# Altium PCB HIVE_SIGHT_PCB ASCII REV Project_PCB_Rev.Project_SCH_Rev.PcbDoc (part 1 of 3) (continued)
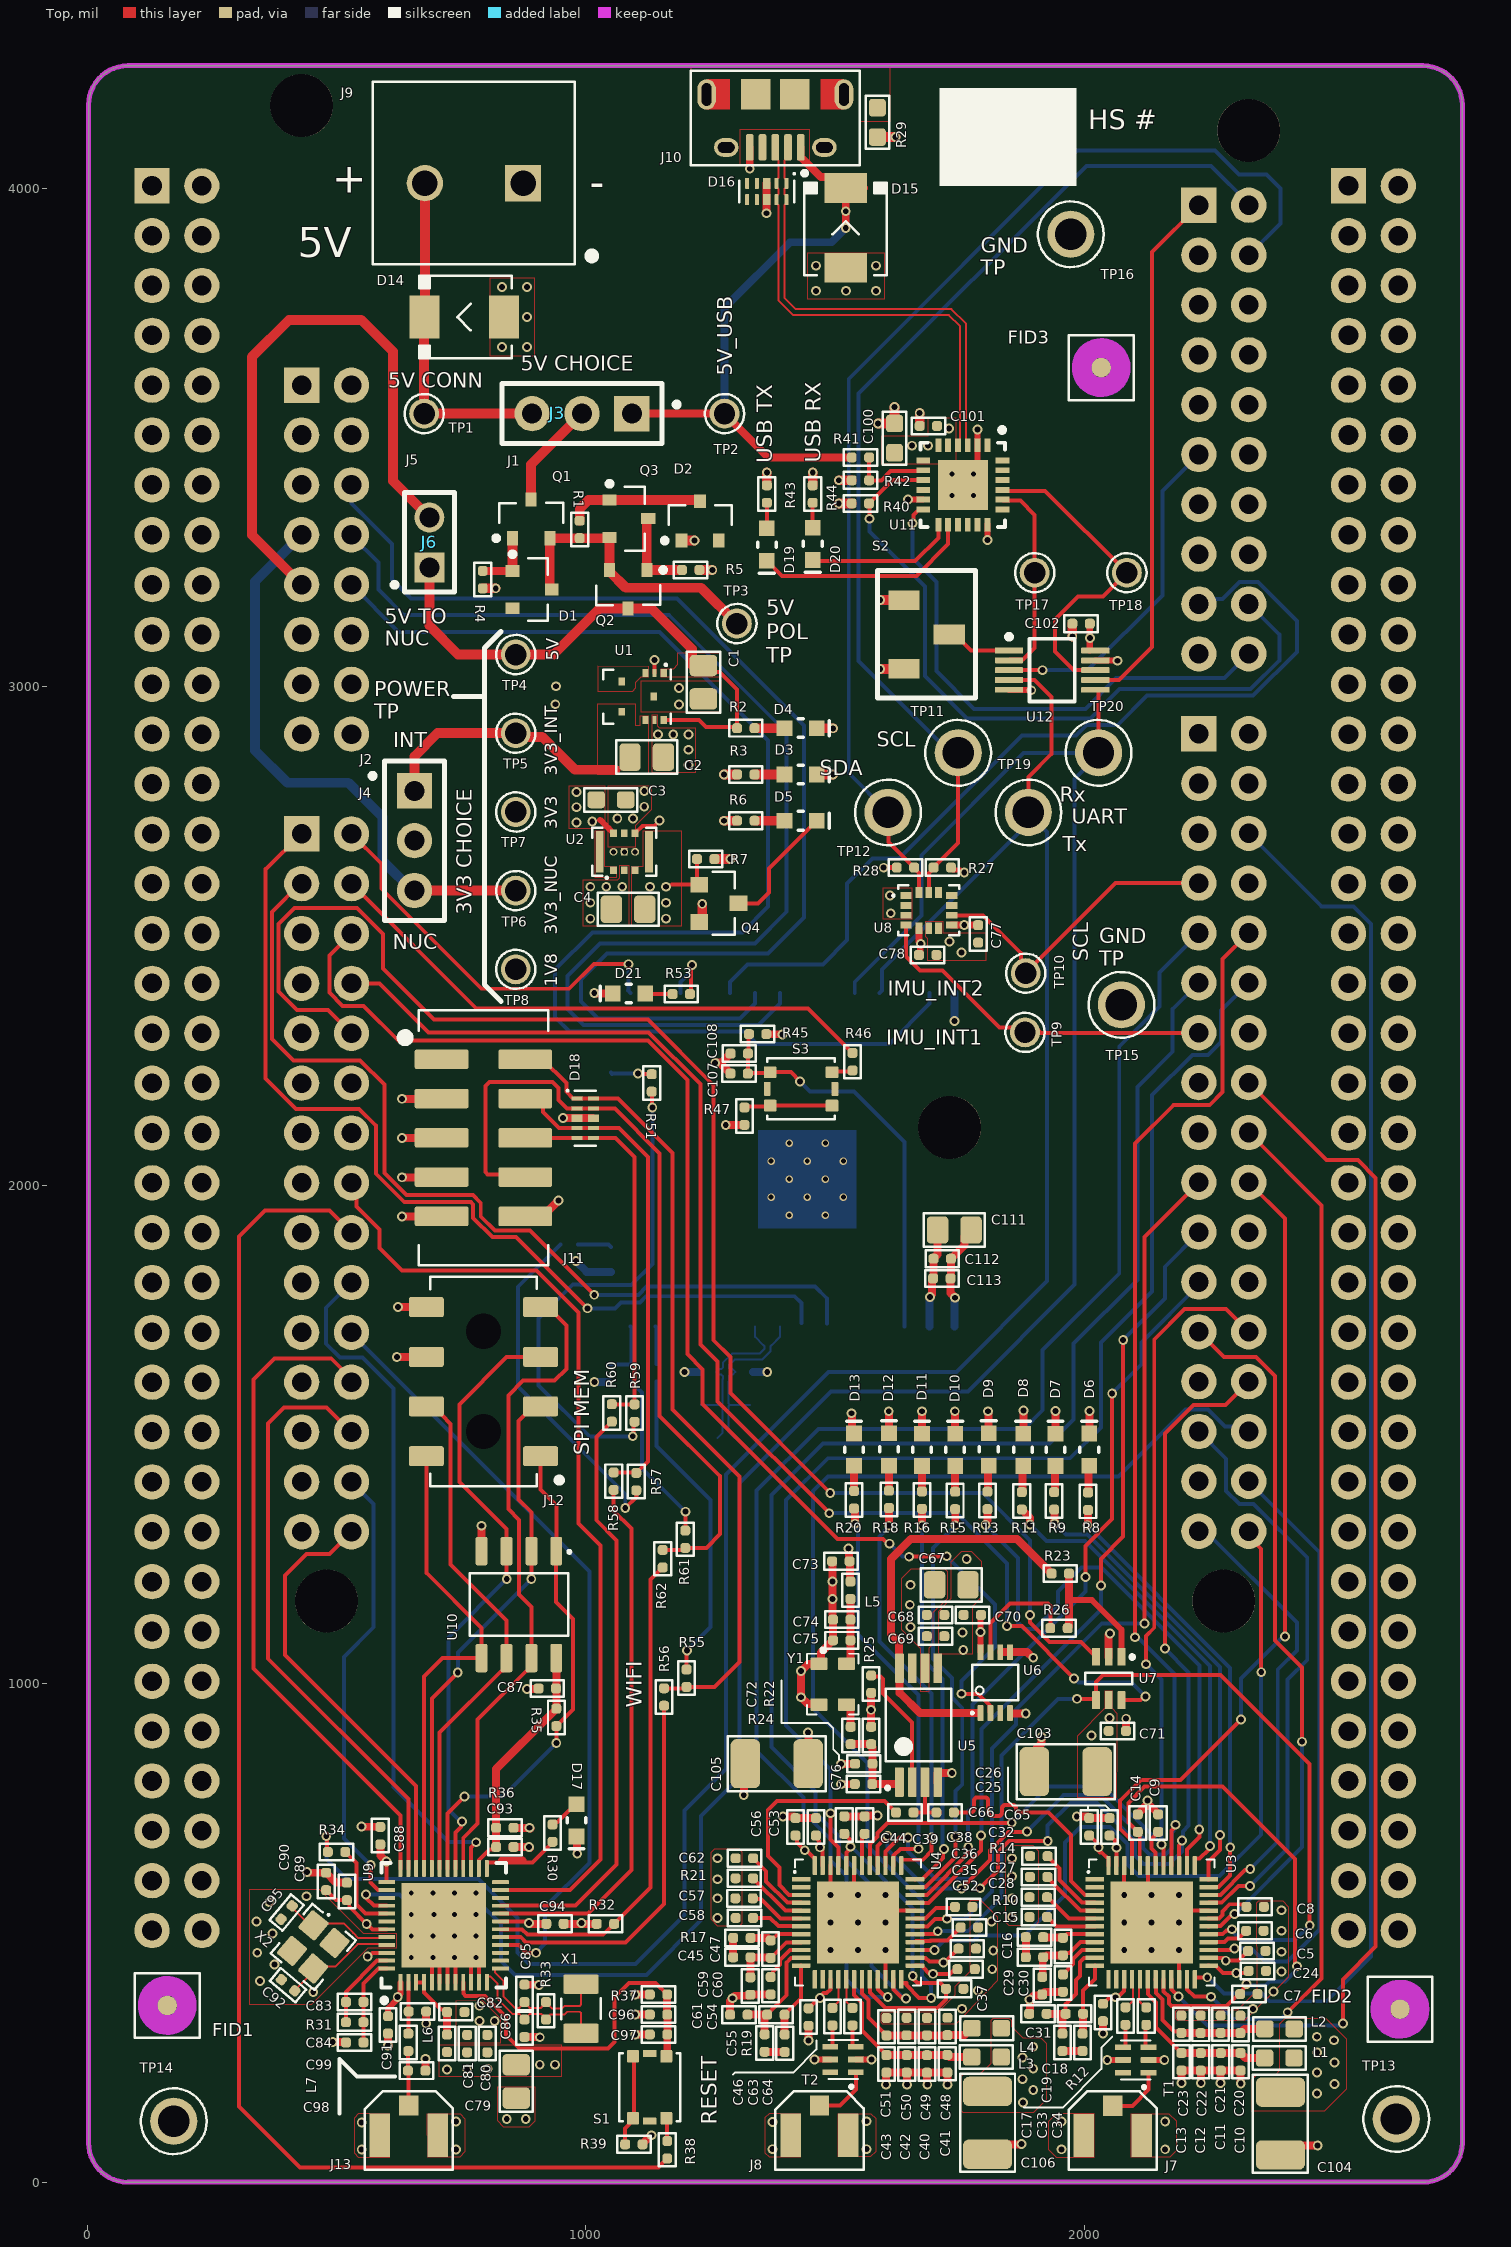
[diagram p0: Top view]
## Components (designator, comment, footprint, x,y, rotation, side; value= is the part's Value field where it differs from the comment) (continued)
C91 "CL05A104KA5NNNC" CAP_CER_0402 603.1,316.08 r90 top
C92 "CC0402DRNPO9BN8R0" CAP_CER_0402 402.56,395.67 r320 top
C93 "CL05A105KL5NRNC" CAP_CER_0402 837.48,672.99 r180 top
C94 "CL05A104KA5NNNC" CAP_CER_0402 937.98,518.83 r180 top
C95 "CC0402DRNPO9BN8R0" CAP_CER_0402 399.61,541.34 r50 top
C96 "CL05A105MP5NNNC" CAP_CER_0402 1145.64,336.71 r0 top
C97 "CL05A104KA5NNNC" CAP_CER_0402 1145.64,296.98 r0 top
C98 "CC0402CRNPO9BN1R8" CAP_CER_0402 660.5,224.26 r180 top
C99 "CC0402BRNPO9BN2R4" CAP_CER_0402 662.04,342.84 r180 top
C100 "CL10A475MA8NQNC" CAP_CER_0603 1619.15,3499.07 r270 top
C101 "CGA2B3X7R1E104K050BB" CAP_CER_0402 1687.01,3523.62 r0 top
C102 "CGA2B3X7R1E104K050BB" CAP_CER_0402 1993.28,3126.94 r180 top
C103 "C3225X7R1E226M250AB" CAP_CER_1210 1962.62,824.19 r0 top
C104 "C3225X7R1E226M250AB" CAP_CER_1210 2393.25,118.1 r90 top
C105 "C3225X7R1E226M250AB" CAP_CER_1210 1382.76,839.99 r0 top
C106 "C3225X7R1E226M250AB" CAP_CER_1210 1805.62,119.57 r90 top
C107 "CL05A105MP5NNNC" CAP_CER_0402 1307.31,2224.36 r0 top
C108 "CL05A104KA5NNNC" CAP_CER_0402 1307.65,2264.52 r0 top
C109 "CC0402JRNPO9BN130" CAP_CER_0402 1244.21,1625.85 r0 bottom
C110 "CC0402JRNPO9BN130" CAP_CER_0402 1317.38,1625.85 r180 bottom
C111 "0805YD106KAT2A" CAP_CER_0805 1739.05,1910.58 r180 top
C112 "CL05A105KL5NRNC" CAP_CER_0402 1714.78,1853.03 r180 top
C113 "CL05A104KA5NNNC" CAP_CER_0402 1714,1813.49 r180 top
D1 "BZX84-B3V6,215" DIO_ZENER_BZX84-B3V6,215 892.1,3195.42 r0 top
D2 "BZX84-B3V6,215" DIO_ZENER_BZX84-B3V6,215 1229,3333 r90 top
D3 "SML-D12P8WT86" LED_SML-D12P8WT86 1430.87,2824.48 r180 top
D4 "SML-D12P8WT86" LED_SML-D12P8WT86 1430.87,2917.32 r180 top
D5 "SML-D12P8WT86" LED_SML-D12P8WT86 1430.87,2731.64 r180 top
D6 "SML-D12P8WT86" LED_SML-D12P8WT86 2009.77,1470.08 r270 top
D7 "SML-D12P8WT86" LED_SML-D12P8WT86 1941.85,1469.69 r270 top
D8 "SML-D12P8WT86" LED_SML-D12P8WT86 1877.02,1469.69 r270 top
D9 "SML-D12P8WT86" LED_SML-D12P8WT86 1808.04,1470.44 r270 top
D10 "SML-D12P8WT86" LED_SML-D12P8WT86 1740.71,1469.69 r270 top
D11 "SML-D12P8WT86" LED_SML-D12P8WT86 1674.03,1469.69 r270 top
D12 "SML-D12P8WT86" LED_SML-D12P8WT86 1607.79,1470.44 r270 top
D13 "SML-D12P8WT86" LED_SML-D12P8WT86 1537.93,1470.08 r270 top
D14 "SMBJ5.0D-M3/H" TVS_SMBJ5.0D-M3/H 756,3742 r180 top
D15 "SMBJ5.0D-M3/H" TVS_SMBJ5.0D-M3/H 1521.14,3920.75 r90 top
D16 "DT1140-04LP-7" TVS_DATA_DT1140-04LP-7 1362.67,3993.88 r270 top
D17 "SML-D12P8WT86" LED_SML-D12P8WT86 981.3,726.38 r90 top
D18 "DT1140-04LP-7" TVS_DATA_DT1140-04LP-7 998.72,2134.84 r0 top
D19 "SML-D12P8WT86" LED_SML-D12P8WT86 1362.91,3285.63 r90 top
D20 "SML-D12P8WT86" LED_SML-D12P8WT86 1455,3286.99 r90 top
D21 "SML-D12P8WT86" LED_SML-D12P8WT86 1086.31,2385.18 r0 top
FID1 "FID 1MM" FID_CIRCLE_1MM 160.15,355.1 r0 top
FID2 "FID 1MM" FID_CIRCLE_1MM 2633.08,347.52 r0 top
FID3 "FID 1MM" FID_CIRCLE_1MM 2033.71,3640.54 r0 top
J1 "TSW-103-07-G-S" CON_HDR_TSW-103-07-G-S 992.14,3548.3 r180 top
J2 "TSW-103-07-G-S" CON_HDR_TSW-103-07-G-S 656,2691.64 r270 top
J3 "SNT-100-BK-T-H" CON_JMP_SNT-100-BK-T-H 942.78,3548.76 r180 top
J4 "SNT-100-BK-T-H" CON_JMP_SNT-100-BK-T-H 656,2652.53 r270 top
J5 "CON_HDR_1x2" CON_HDR_1X2 686,3290 r180 top
J6 "SNT-100-BK-T-H" CON_JMP_SNT-100-BK-T-H 686,3290 r270 top
J7 "128-0711-201" CON_UMC_128-0711-201 2056.9,94.24 r180 top
J8 "128-0711-201" CON_UMC_128-0711-201 1468.51,94.8 r180 top
J9 "1935161" "CON_ 1935161" 873.83,4010.59 r180 top
J10 "10118194-0001LF" CON_USB_10118194-0001LF 1379.87,4188.57 r180 top
J11 "0878321014" CON_0878321014 794.42,2095.53 r270 top
J12 "M20-7810445" CON_HDR_M20-7810445R 794.42,1606.87 r90 top
J13 "128-0711-201" CON_UMC_128-0711-201 644.68,94.8 r180 top
J14 "PREC008DAAN-RC" CON_HDR_NUCLEO_F429ZI_C008DAAN-RC 479.63,3255.33 r180 bottom
J15 "PREC010DAAN-RC" CON_HDR_NUCLEO_F429ZI_C010DAAN-RC 2279.63,3516.33 r180 bottom
J16 "PREC017DAAN-RC" CON_HDR_NUCLEO_F429ZI_C017DAAN-RC 2279.63,2106.33 r180 bottom
J17 "PREC015DAAN-RC" CON_HDR_NUCLEO_F429ZI_C015DAAN-RC 479.63,2005.33 r180 bottom
L1 "BLM15AG601SN1D" FER_0603 2390.97,249.77 r180 top
L2 "BLM15AG601SN1D" FER_0603 2391.34,308.11 r180 top
L3 "BLM15AG601SN1D" FER_0603 1803.48,251.66 r180 top
L4 "BLM15AG601SN1D" FER_0603 1803.83,309.3 r180 top
L5 "BLM15BB220SN1D" FER_0402 1530.66,1188 r270 top
L6 "LQG15HS2N0S02D" FER_0402 721.37,279.03 r90 top
L7 "LQG15WZ2N8S02D" FER_0402 643.77,281.01 r90 top
Q1 "SI2369DS-T1-GE3" TRX_PMOS_SI2369DS-T1-GE3 890.13,3337.16 r90 top
Q2 "SI2369DS-T1-GE3" TRX_PMOS_SI2369DS-T1-GE3 1084.79,3195.91 r270 top
Q3 "SI2369DS-T1-GE3" TRX_PMOS_SI2369DS-T1-GE3 1086.13,3337.44 r0 top
Q4 "BSS138LT1G" TRX_NMOS_BSS138LT1G 1266.7,2565.99 r0 top
R1 "RC0402FR-071KL" RES_0402 987.46,3315.92 r90 top
R2 "ERJ-2RKF4020X" RES_0402 1320.73,2917.32 r180 top
R3 "RC0402FR-07150RL" RES_0402 1320.73,2824.48 r0 top
R4 "RC0402FR-071KL" RES_0402 793.07,3215.32 r270 top
R5 "RC0402FR-071KL" RES_0402 1210.07,3234.65 r0 top
R6 "RC0402FR-07150RL" RES_0402 1320.73,2731.64 r0 top
R7 "RC0402FR-0710KL" RES_0402 1240.33,2654.64 r0 top
R8 "RC0402FR-07150RL" RES_0402 2007.19,1366.36 r270 top
R9 "RC0402FR-07150RL" RES_0402 1939.27,1367.35 r270 top
R10 "RC0402FR-0716KL" RES_0402 1899.86,491.99 r180 top
R11 "RC0402FR-07150RL" RES_0402 1874.44,1367.35 r270 top
R12 "RC0402FR-07270RL" FER_0402 1996.24,281 r90 top
R13 "RC0402FR-07150RL" RES_0402 1805.46,1368.1 r270 top
R14 "RC0402FR-0711KL" RES_0402 1908.18,612.91 r0 top
R15 "RC0402FR-07150RL" RES_0402 1740.71,1368.1 r270 top
R16 "RC0402FR-07150RL" RES_0402 1674.03,1368.8 r270 top
R17 "RC0402FR-0716KL" RES_0402 1312.94,490.6 r180 top
R18 "RC0402FR-07150RL" RES_0402 1607.79,1370.23 r270 top
R19 "RC0402FR-07270RL" FER_0402 1398.73,279.13 r90 top
R20 "RC0402FR-07150RL" RES_0402 1537.93,1369.34 r270 top
R21 "RC0402FR-0711KL" RES_0402 1317.67,610.18 r0 top
R22 "RC0402FR-0720KL" RES_0402 1572.19,896.58 r90 top
R23 "RC0402FR-070RL" RES_0402 1951.56,1221.46 r180 top
R24 "RC0402FR-0720KL" RES_0402 1557.25,839.93 r0 top
R25 "RC0402FR-0710KL" RES_0402 1572.19,999.57 r270 top
R26 "RC0402FR-070RL" RES_0402 1948.99,1111.82 r180 top
R27 "RC0402FR-071KL" RES_0402 1714.92,2637.65 r180 top
R28 "RC0402FR-071KL" RES_0402 1641.02,2637.65 r0 top
R29 "RC0603JR-070RL" RES_0603 1584.63,4132.48 r90 top
R30 "RC0402FR-07150RL" RES_0402 933.07,700.79 r270 top
R31 "RC0402FR-0720KL" RES_0402 536.11,321.44 r180 top
R32 "RC0402FR-0710KL" RES_0402 1039.14,518.83 r0 top
R33 "RC0402FR-076R2L" RES_0402 920.08,344.34 r90 top
R34 "RC0402FR-07499RL" RES_0402 499.69,663.07 r180 top
R35 "RC0402FR-0710KL" RES_0402 940.67,932.85 r90 top
R36 "RC0402FR-076R2L" RES_0402 837.48,711.51 r180 top
R37 "RC0402FR-0710KL" RES_0402 1145.64,377.06 r180 top
R38 "RC0402FR-071KL" RES_0402 1163.14,65.63 r270 top
R39 "RC0402FR-07150RL" RES_0402 1096.21,76.53 r180 top
R40 "RC0402FR-071KL" RES_0402 1550.6,3368.2 r0 top
R41 "RC0402FR-0710KL" RES_0402 1550.69,3460.39 r180 top
R42 "RC0402FR-0720KL" RES_0402 1550.69,3414.56 r0 top
R43 "RC0402FR-07150RL" RES_0402 1362.91,3387.01 r270 top
R44 "RC0402FR-07150RL" RES_0402 1455,3387.01 r270 top
R45 "RC0402FR-0710KL" RES_0402 1344.38,2303.64 r0 top
R46 "RC0402FR-071KL" RES_0402 1535,2248.26 r90 top
R47 "RC0402FR-07150RL" RES_0402 1318.01,2139.05 r90 top
R48 "PNM0402E1000BST1" RES_0402 1141.22,1624.57 r270 bottom
R49 "PNM0402E1000BST1" RES_0402 1090.99,1623.47 r270 bottom
R50 "PNM0402E1000BST1" RES_0402 966.33,1881.5 r180 bottom
R51 "PNM0402E1000BST1" RES_0402 1132.01,2205.64 r270 top
R52 "RC0402FR-0710KL" RES_0402 1045.72,1623.47 r90 bottom
R53 "RC0402FR-07150RL" RES_0402 1191.25,2383.94 r0 top
R54 "RC0402FR-076R2L" RES_0402 1280.33,1493.55 r180 bottom
R55 "RC0402FR-070RL" RES_0402 1201.85,1011.65 r270 top
R56 "RC0402FR-070RL" RES_0402 1156.74,973.8 r90 top
R57 "RC0402FR-070RL" RES_0402 1101,1405.84 r90 top
R58 "RC0402FR-070RL" RES_0402 1055.66,1406.75 r90 top
R59 "RC0402FR-070RL" RES_0402 1097.63,1543.43 r90 top
R60 "RC0402FR-070RL" RES_0402 1051.89,1543.66 r90 top
R61 "RC0402FR-070RL" RES_0402 1199.41,1290.34 r270 top
R62 "RC0402FR-070RL" RES_0402 1154.03,1251.26 r90 top
S1 "435171014816" SWI_TACT_435171014816 1127.95,190.94 r90 top
S2 "CJS-1200TA" SWI_SPDT_CJS-1200TA 1683.34,3105.33 r270 top
S3 "435171014816" SWI_TACT_435171014816 1431.61,2193.69 r180 top
T1 "HHM1595A1" XFR_HHM1595A1 2103.09,245.71 r90 top
T2 "HHM1595A1" XFR_HHM1595A1 1515.95,246.55 r90 top
TP1 "100MIL" TPO_TH_ROUND_100MIL 675.5,3548.3 r0 top
TP2 "100MIL" TPO_TH_ROUND_100MIL 1278.08,3548.3 r0 top
TP3 "100MIL" TPO_TH_ROUND_100MIL 1302.91,3127.17 r0 top
TP4 "100MIL" TPO_TH_ROUND_100MIL 859.25,3064.96 r0 top
TP5 "100MIL" TPO_TH_ROUND_100MIL 859.25,2907.12 r0 top
TP6 "100MIL" TPO_TH_ROUND_100MIL 859.25,2591.43 r0 top
TP7 "100MIL" TPO_TH_ROUND_100MIL 859.25,2749.27 r90 top
TP8 "100MIL" TPO_TH_ROUND_100MIL 859.25,2433.59 r90 top
TP9 "100MIL" TPO_TH_ROUND_100MIL 1880.91,2307.09 r270 top
TP10 "100MIL" TPO_TH_ROUND_100MIL 1882.26,2425.78 r270 top
TP11 "5011" TPO_5011#1 1746.8,2867.9 r180 top
TP12 "5011" TPO_5011#2 1606.05,2748.25 r180 top
TP13 "5011" TPO_5011#1 2625.57,127.34 r180 top
TP14 "5011" TPO_5011#1 173.24,122.84 r180 top
TP15 "5011" TPO_5011#1 2074.27,2362.2 r180 top
TP16 "5011" TPO_5011#1 1972.7,3908.1 r180 top
TP17 "100MIL" TPO_TH_ROUND_100MIL 1900.26,3229.17 r0 top
TP18 "100MIL" TPO_TH_ROUND_100MIL 2085.26,3229.17 r0 top
TP19 "5011" TPO_5011#1 1887.56,2748.25 r180 top
TP20 "5011" TPO_5011#1 2028.32,2867.9 r180 top
U1 "XCL214B333DR" REG_SWR_XCL214B333DR 1102.35,2980.62 r90 top
U2 "MYRGP180100W21RA" REG_SWR_MYRGP180100W21RA 1077.02,2669.29 r180 top
U3 "DW1000-I-TR13" COM_XCV_DW1000-I-TR13 2134.95,521.53 r0 top
U4 "DW1000-I-TR13" COM_XCV_DW1000-I-TR13 1545.85,521.53 r0 top
U5 "LMK1C1102PWR" COM_BUF_LMK1C1102PWR 1667.32,917.32 r90 top
U6 "SN74LVC2G00DCUR" LOG_NAND_SN74LVC2G00DCUR 1821.21,1002.66 r90 top
U7 "SN74LVC1G175DCKT" LOG_FLIPFLOP_SN74LVC1G175DCKT 2048.83,1011.02 r270 top
U8 "LSM6DSMTR" SEN_IMU_LSM6DSMTR 1687.81,2551.75 r180 top
U9 "ESP32-D0WDQ6-V3" COM_WIFI_ESP32-D0WDQ6-V3 714.57,515.75 r90 top
U10 "MX25L3233FM1I-08Q" MEM_FLASH_MX25L3233FM1I-08Q 865.69,1159.29 r270 top
U11 "CP2102N-A02-GQFN24R" COM_XCV_CP2102N-A02-GQFN24R 1756.16,3405.28 r270 top
U12 "TMUX154EDGSR" LOG_MUX_TMUX154EDGSR 1935.31,3033.65 r0 top
U13 "NUCLEO_F429ZI" MOD_NUCLEO-F429ZI 1379.63,2230.13 r180 bottom locked
U14 "ESP32-WROOM-32U" COM_ESP32-WROOM-32U(8MB) 1444,2051.84 r90 bottom
X1 "CM7V-T1A-32KHZ" CRY_CM7V-T1A-32.768KHZ-12.5PF-20PPM-TA-QC 990.16,348.43 r270 top
X2 "FA-20H 40.0000MF10Z-K3" "CRY_FA-20H 40.0000MF10Z-K3" 453.15,472.48 r230 top
X3 "CM7V-T1A-32KHZ" CRY_CM7V-T1A-32.768KHZ-12.5PF-20PPM-TA-QC 1280.37,1559.77 r0 bottom
Y1 "ASTXR-12-38.400MHz-514054-T" OSC_ASTXR-12-38.400MHZ-514054-T 1495.08,999.57 r270 top

## Footprints (in the part's own frame and the unit in brackets; to place one, negate y for a bottom-side part, rotate by r counter-clockwise, add the part's x,y. Pads: shape width x height; smd on the part's side, far side on the other; paste and mask are expansions set on the pad)
CAP_CER_0402 [mil] "Ceramic Capacitor - 0402"
  rrect60% 20x20 smd paste+0 mask+0: 1(-17.5,0) 2(17.5,0)
  silkscreen extent -33,-17 33,17
CAP_CER_0603 [mil] "Ceramic Capacitor - 0603"
  rrect35% 35x34 smd paste+0 mask+0: 1(-29.5,0) 2(29.5,0)
  silkscreen extent -53,-24 53,24
CAP_CER_0805 [mil] "Ceramic Capacitor - 0805"
  rrect37% 43x55 smd paste+0 mask+0: 1(-33.5,0) 2(33.5,0)
  silkscreen extent -61,-33 61,33
CAP_CER_1210 [mm] "Ceramic Capacitor - 1210"
  rrect40% 1.5x2.5 smd paste+0 mask+0: 1(-1.6,0) 2(1.6,0)
  silkscreen extent -2.5,-1.4 2.5,1.4
COM_BUF_LMK1C1102PWR [mm] "TSOP, 8-Leads, Body 3,00x4,40mm, Pitch 0,65mm, IPC Medium Density"
  rrect20% 1.5x0.45 smd paste-0.05 mask+0: 1(-2.9,0.975) 2(-2.9,0.325) 3(-2.9,-0.325) 4(-2.9,-0.975) 5(2.9,-0.975) 6(2.9,-0.325) 7(2.9,0.325) 8(2.9,0.975)
  silkscreen extent -3.25,-1.68 1.85,1.68
COM_ESP32-WROOM-32U(8MB) [mm]
  rrect20% 2x0.9 smd paste-0.025 mask+0: 1(-8.5,7.5) 2(-8.5,6.23) 3(-8.5,4.96) 4(-8.5,3.69) 5(-8.5,2.42) 6(-8.5,1.15) 7(-8.5,-0.12) 8(-8.5,-1.39) 9(-8.5,-2.66) 10(-8.5,-3.93) 11(-8.5,-5.2) 12(-8.5,-6.47) 13(-8.5,-7.74) 14(-8.5,-9.01) 25(8.5,-9.01) 26(8.5,-7.74) 27(8.5,-6.47) 28(8.5,-5.2) 29(8.5,-3.93) 30(8.5,-2.66) 31(8.5,-1.39) 32(8.5,-0.12) 33(8.5,1.15) 34(8.5,2.42) 35(8.5,3.69) 36(8.5,4.96) 37(8.5,6.23) 38(8.5,7.5)
  rrect20% 0.9x2 smd paste-0.025 mask+0: 15(-5.715,-10.01) 16(-4.445,-10.01) 17(-3.175,-10.01) 18(-1.905,-10.01) 19(-0.635,-10.01) 20(0.635,-10.01) 21(1.905,-10.01) 22(3.175,-10.01) 23(4.445,-10.01) 24(5.715,-10.01)
  rrect0% 1.33x1.33 smd paste-0.025 mask+0: 39(-2.835,-1.835) 39(-2.835,0) 39(-2.835,1.835) 39(-1,-1.835) 39(-1,0) 39(-1,1.835) 39(0.835,-1.835) 39(0.835,0) 39(0.835,1.835)
  Top region: -3.5,2.5 1.5,2.5 1.5,-2.5 -3.5,-2.5
  silkscreen extent -9.17,-10.73 9.17,8.83
COM_WIFI_ESP32-D0WDQ6-V3 [mm]
  rrect20% 0.85x0.2 smd paste-0.025 mask+0: 1(-2.9,2.2) 2(-2.9,1.8) 3(-2.9,1.4) 4(-2.9,1) 5(-2.9,0.6) 6(-2.9,0.2) 7(-2.9,-0.2) 8(-2.9,-0.6) 9(-2.9,-1) 10(-2.9,-1.4) 11(-2.9,-1.8) 12(-2.9,-2.2) 25(2.9,-2.2) 26(2.9,-1.8) 27(2.9,-1.4) 28(2.9,-1) 29(2.9,-0.6) 30(2.9,-0.2) 31(2.9,0.2) 32(2.9,0.6) 33(2.9,1) 34(2.9,1.4) 35(2.9,1.8) 36(2.9,2.2)
  rrect20% 0.2x0.85 smd paste-0.025 mask+0: 13(-2.2,-2.9) 14(-1.8,-2.9) 15(-1.4,-2.9) 16(-1,-2.9) 17(-0.6,-2.9) 18(-0.2,-2.9) 19(0.2,-2.9) 20(0.6,-2.9) 21(1,-2.9) 22(1.4,-2.9) 23(1.8,-2.9) 24(2.2,-2.9) 37(2.2,2.9) 38(1.8,2.9) 39(1.4,2.9) 40(1,2.9) 41(0.6,2.9) 42(0.2,2.9) 43(-0.2,2.9) 44(-0.6,2.9) 45(-1,2.9) 46(-1.4,2.9) 47(-1.8,2.9) 48(-2.2,2.9)
  rect 4.3x4.3 smd paste-4.3 mask+0: 49(0,0)
  silkscreen extent -3.95,-3.18 3.18,3.18
COM_XCV_CP2102N-A02-GQFN24R [mm] "QFN, 24-Leads, Body 4.00x4.00mm, Pitch 0.50mm, Thermal Pad 2.55x2.55mm, IPC Medium Density"
  rect 0.7x0.3 smd paste-0.025 mask+0: 1(-2.025,1.25) 2(-2.025,0.75) 3(-2.025,0.25) 4(-2.025,-0.25) 5(-2.025,-0.75) 6(-2.025,-1.25) 13(2.025,-1.25) 14(2.025,-0.75) 15(2.025,-0.25) 16(2.025,0.25) 17(2.025,0.75) 18(2.025,1.25)
  rect 0.3x0.7 smd paste-0.025 mask+0: 7(-1.25,-2.025) 8(-0.75,-2.025) 9(-0.25,-2.025) 10(0.25,-2.025) 11(0.75,-2.025) 12(1.25,-2.025) 19(1.25,2.025) 20(0.75,2.025) 21(0.25,2.025) 22(-0.25,2.025) 23(-0.75,2.025) 24(-1.25,2.025)
  rect 2.55x2.55 smd paste-0.025 mask+0: 25(0,0)
  silkscreen extent -2.92,-2.15 2.15,2.15
COM_XCV_DW1000-I-TR13 [mm] "QFN 48 package, 0.5mm pitch"
  rrect20% 0.95x0.22 smd paste-0.025 mask+0: 1(-2.9,2.2) 2(-2.9,1.8) 3(-2.9,1.4) 4(-2.9,1) 5(-2.9,0.6) 6(-2.9,0.2) 7(-2.9,-0.2) 8(-2.9,-0.6) 9(-2.9,-1) 10(-2.9,-1.4) 11(-2.9,-1.8) 12(-2.9,-2.2) 25(2.9,-2.2) 26(2.9,-1.8) 27(2.9,-1.4) 28(2.9,-1) 29(2.9,-0.6) 30(2.9,-0.2) 31(2.9,0.2) 32(2.9,0.6) 33(2.9,1) 34(2.9,1.4) 35(2.9,1.8) 36(2.9,2.2)
  rrect20% 0.22x0.95 smd paste-0.025 mask+0: 13(-2.2,-2.9) 14(-1.8,-2.9) 15(-1.4,-2.9) 16(-1,-2.9) 17(-0.6,-2.9) 18(-0.2,-2.9) 19(0.2,-2.9) 20(0.6,-2.9) 21(1,-2.9) 22(1.4,-2.9) 23(1.8,-2.9) 24(2.2,-2.9) 37(2.2,2.9) 38(1.8,2.9) 39(1.4,2.9) 40(1,2.9) 41(0.6,2.9) 42(0.2,2.9) 43(-0.2,2.9) 44(-0.6,2.9) 45(-1,2.9) 46(-1.4,2.9) 47(-1.8,2.9) 48(-2.2,2.9)
  rect 4.2x4.2 smd paste-5 mask+0: 49(0,0)
  silkscreen extent -3.27,-3.2 3.2,3.2
CON_0878321014 [mm]
  rrect20% 1x2.75 smd: 1(-4,-2.13) 2(-4,2.13) 3(-2,-2.13) 4(-2,2.13) 5(0,-2.13) 6(0,2.13) 7(2,-2.13) 8(2,2.13) 9(4,-2.13) 10(4,2.13)
  silkscreen extent -6.49,-4.17 6.49,3.3
"CON_ 1935161" [mm]
  rect 1.85x1.85 hole 1.3: 1(0,0)
  round 1.85 hole 1.3: 2(5,0)
  silkscreen extent -3.63,-5.16 7.65,4.14
CON_HDR_1X2 [mil]
  rect 60x60 hole 40: 1(0,50)
  round 60 hole 40: 2(0,-50)
  silkscreen extent -50,-100 75,100
CON_HDR_M20-7810445R [mm]
  rrect20% 1.02x1.78 smd paste-0.025 mask+0: 1(-3.81,-2.91) 2(-1.27,-2.911) 3(1.248,-2.911) 4(3.788,-2.911) 5(3.788,2.91) 6(1.248,2.91) 7(-1.27,2.91) 8(-3.81,2.91)
  round 1 hole 1.8: ""(-2.554,0) ""(2.554,0)
  silkscreen extent -5.33,-3.9 5.33,2.72
CON_HDR_NUCLEO_F429ZI_C008DAAN-RC [mil]
CON_HDR_NUCLEO_F429ZI_C010DAAN-RC [mil]
CON_HDR_NUCLEO_F429ZI_C015DAAN-RC [mil]
CON_HDR_NUCLEO_F429ZI_C017DAAN-RC [mil]
CON_HDR_TSW-103-07-G-S [mm] "Connector Header 100 mil HDR"
  rect 1.8x1.8 hole 1.02 mask+0: 1(-2.54,0)
  round 1.8 hole 1.02 mask+0: 2(0,0) 3(2.54,0)
  silkscreen extent -4.95,-1.52 4.06,1.52
CON_JMP_SNT-100-BK-T-H [mil] "100 Mil Header Jumper"
CON_UMC_128-0711-201 [mil]
  rect 39x41 smd paste-0.98 mask+0: 1(0,-59.5)
  rect 41x87 smd paste-0.98 mask+0: 2(-58,0) 3(58,0)
  silkscreen extent -89,-89 89,69
CON_USB_10118194-0001LF [mm] "CONN USB MICRO B RECPT SMT R/A"
  rrect50% 0.4x1.35 smd paste+0 mask+0: 1(-1.3,2.7) 2(-0.65,2.7) 3(0,2.7) 4(0.65,2.7) 5(1.3,2.7)
  rrect100% 1.25x0.95 hole 0.55 slot 0.85 at 0 deg mask+0: 6(2.5,2.7) 11(-2.5,2.7)
  rrect100% 0.95x1.55 hole 0.5 slot 1.15 at 90 deg mask+0: 7(3.5,0) 10(-3.5,0)
  rect 1.5x1.55 smd paste+0 mask+0: 8(1,0) 9(-1,0)
  Top region: 2.3,-0.775 3.5,-0.775 3.5,0.775 2.3,0.775
  Top region: -2.3,0.775 -3.5,0.775 -3.5,-0.775 -2.3,-0.775
  silkscreen extent -4.3,-1.2 4.3,4.11
CRY_CM7V-T1A-32.768KHZ-12.5PF-20PPM-TA-QC [mm] "CRY - 32.768KHZ tol:20ppm 12.5PF - 2-SMD"
  rrect20% 1x1.8 smd paste-0.025 mask+0: 1(-1.25,0) 2(1.25,0)
  silkscreen extent -0.53,-1.02 0.53,1.02
"CRY_FA-20H 40.0000MF10Z-K3" [mm] "CRY - 40MKHZ 10ppm 10PF - 4-SMD"
  rrect20% 1.2x1.1 smd paste-0.025 mask+0: 1(-0.85,-0.7) 2(0.85,-0.7) 3(0.85,0.7) 4(-0.85,0.7)
  silkscreen extent -1.8,-1.45 1.65,1.45
DIO_ZENER_BZX84-B3V6,215 [mm]
  rect 0.7x0.6 smd paste-0.025 mask+0: 1(-1,0.95) 2(-1,-0.95) 3(1,0)
  silkscreen extent -1.12,-1.6 0.81,1.92
FER_0402 [mil] "Ferrite - 0402"
  rrect60% 20x20 smd paste+0 mask+0: 1(-17.5,0) 2(17.5,0)
  silkscreen extent -33,-17 33,17
FER_0603 [mil] "Ferrite - 0603"
  rrect35% 35x34 smd paste+0 mask+0: 1(-29.5,0) 2(29.5,0)
  silkscreen extent -53,-24 53,24
FID_CIRCLE_1MM [mm]
  round 1 smd paste-1 mask+0: 1(0,0)
  round 1 smd far side paste-1 mask+0: 2(0,0)
  Top keep-out circle w1: c0,0 r1
  Bottom keep-out circle w1: c0,0 r1
  silkscreen extent -1.65,-1.65 1.65,1.65
LED_SML-D12P8WT86 [mm] "0603"
  rect 0.8x0.8 smd paste-0.025 mask+0: A(0.825,0) K(-0.825,0)
  silkscreen extent -1.45,-0.48 0.13,0.48
LOG_FLIPFLOP_SN74LVC1G175DCKT [mm] "SOT23, 6-Leads, Body 2.00x2.10mm, Pitch 0.65mm, IPC Medium Density"
  rrect10% 0.9x0.4 smd paste-0.025 mask+0: 1(-1.1,0.65) 2(-1.1,0) 3(-1.1,-0.65) 4(1.1,-0.65) 5(1.1,0) 6(1.1,0.65)
  silkscreen extent -1.16,-1.19 0.3,1.26
LOG_MUX_TMUX154EDGSR [mm] "TSSOP, 10-Leads, Body 3.00x3.00mm, Pitch 0.50mm, IPC Medium Density"
  rrect30% 1.45x0.3 smd paste-0.025 mask+0: 1(-2.2,1) 2(-2.2,0.5) 3(-2.2,0) 4(-2.2,-0.5) 5(-2.2,-1) 6(2.2,-1) 7(2.2,-0.5) 8(2.2,0) 9(2.2,0.5) 10(2.2,1)
  silkscreen extent -2.32,-1.6 1.15,1.82
LOG_NAND_SN74LVC2G00DCUR [mm] "SN74LVC2G00"
  rrect20% 0.8x0.3 smd paste-0.05 mask+0: 1(-1.55,0.75) 2(-1.55,0.25) 3(-1.55,-0.25) 4(-1.55,-0.75) 5(1.55,-0.75) 6(1.55,-0.25) 7(1.55,0.25) 8(1.55,0.75)
  silkscreen extent -1.61,-1.17 0.91,1.23
MEM_FLASH_MX25L3233FM1I-08Q [mm] "SOIC, 8-Leads, Body 4,90x3,90mm, Pitch 1,27mm, IPC Medium Density"
  rrect30% 1.45x0.6 smd paste-0.025 mask+0: 1(-2.725,1.905) 2(-2.725,0.635) 3(-2.725,-0.635) 4(-2.725,-1.905) 5(2.725,-1.905) 6(2.725,-0.635) 7(2.725,0.635) 8(2.725,1.905)
  silkscreen extent -2.76,-2.5 1.6,2.64
MOD_NUCLEO-F429ZI [mm]
  round 3.2 hole 3.2 unplated: 0(-24.13,47.909) 0(-22.86,-27.021) 0(-8.89,-2.891) 0(22.86,-27.021) 0(24.13,49.179)
  rect 1.8x1.8 hole 1: CN7-1(-21.59,44.099) CN8-1(24.13,34.93) CN9-1(24.13,12.07) CN10-1(-21.59,17.175) CN11-1(31.75,45.09) CN12-1(-29.21,45.09)
  round 1.8 hole 1: CN7-2(-24.13,44.099) CN7-3(-21.59,41.559) CN7-4(-24.13,41.559) CN7-5(-21.59,39.019) CN7-6(-24.13,39.019) CN7-7(-21.59,36.479) CN7-8(-24.13,36.479) CN7-9(-21.59,33.939) CN7-10(-24.13,33.939) CN7-11(-21.59,31.399) CN7-12(-24.13,31.399) CN7-13(-21.59,28.859) CN7-14(-24.13,28.859) CN7-15(-21.59,26.319) CN7-16(-24.13,26.319) CN7-17(-21.59,23.779) CN7-18(-24.13,23.779) CN7-19(-21.59,21.239) CN7-20(-24.13,21.239) CN8-2(21.59,34.93) CN8-3(24.13,32.39) CN8-4(21.59,32.39) CN8-5(24.13,29.85) CN8-6(21.59,29.85) CN8-7(24.13,27.31) CN8-8(21.59,27.31) CN8-9(24.13,24.77) CN8-10(21.59,24.77) CN8-11(24.13,22.23) CN8-12(21.59,22.23) CN8-13(24.13,19.69) CN8-14(21.59,19.69) CN8-15(24.13,17.15) CN8-16(21.59,17.15) CN9-2(21.59,12.07) CN9-3(24.13,9.53) CN9-4(21.59,9.53) CN9-5(24.13,6.99) CN9-6(21.59,6.99) CN9-7(24.13,4.45) CN9-8(21.59,4.45) CN9-9(24.13,1.91) CN9-10(21.59,1.91) CN9-11(24.13,-0.63) CN9-12(21.59,-0.63) CN9-13(24.13,-3.17) CN9-14(21.59,-3.17) CN9-15(24.13,-5.71) CN9-16(21.59,-5.71) CN9-17(24.13,-8.25) CN9-18(21.59,-8.25) CN9-19(24.13,-10.79) CN9-20(21.59,-10.79) CN9-21(24.13,-13.33) CN9-22(21.59,-13.33) CN9-23(24.13,-15.87) CN9-24(21.59,-15.87) CN9-25(24.13,-18.41) CN9-26(21.59,-18.41) CN9-27(24.13,-20.95) CN9-28(21.59,-20.95) CN9-29(24.13,-23.49) CN9-30(21.59,-23.49) CN10-2(-24.13,17.175) CN10-3(-21.59,14.635) CN10-4(-24.13,14.635) CN10-5(-21.59,12.095) CN10-6(-24.13,12.095) CN10-7(-21.59,9.555) CN10-8(-24.13,9.555) CN10-9(-21.59,7.015) CN10-10(-24.13,7.015) CN10-11(-21.59,4.475) CN10-12(-24.13,4.475) CN10-13(-21.59,1.935) CN10-14(-24.13,1.935) CN10-15(-21.59,-0.605) CN10-16(-24.13,-0.605) CN10-17(-21.59,-3.145) CN10-18(-24.13,-3.145) CN10-19(-21.59,-5.685) CN10-20(-24.13,-5.685) CN10-21(-21.59,-8.225) CN10-22(-24.13,-8.225) CN10-23(-21.59,-10.765) CN10-24(-24.13,-10.765) CN10-25(-21.59,-13.305) CN10-26(-24.13,-13.305) CN10-27(-21.59,-15.845) CN10-28(-24.13,-15.845) CN10-29(-21.59,-18.385) CN10-30(-24.13,-18.385) CN10-31(-21.59,-20.925) CN10-32(-24.13,-20.925) CN10-33(-21.59,-23.465) CN10-34(-24.13,-23.465) CN11-2(29.21,45.09) CN11-3(31.75,42.55) CN11-4(29.21,42.55) CN11-5(31.75,40.01) CN11-6(29.21,40.01) CN11-7(31.75,37.47) CN11-8(29.21,37.47) CN11-9(31.75,34.93) CN11-10(29.21,34.93) CN11-11(31.75,32.39) CN11-12(29.21,32.39) CN11-13(31.75,29.85) CN11-14(29.21,29.85) CN11-15(31.75,27.31) CN11-16(29.21,27.31) CN11-17(31.75,24.77) CN11-18(29.21,24.77) CN11-19(31.75,22.23) CN11-20(29.21,22.23) CN11-21(31.75,19.69) CN11-22(29.21,19.69) CN11-23(31.75,17.15) CN11-24(29.21,17.15) CN11-25(31.75,14.61) CN11-26(29.21,14.61) CN11-27(31.75,12.07) CN11-28(29.21,12.07) CN11-29(31.75,9.53) CN11-30(29.21,9.53) CN11-31(31.75,6.99) CN11-32(29.21,6.99) CN11-33(31.75,4.45) CN11-34(29.21,4.45) CN11-35(31.75,1.91) CN11-36(29.21,1.91) CN11-37(31.75,-0.63) CN11-38(29.21,-0.63) CN11-39(31.75,-3.17) CN11-40(29.21,-3.17) CN11-41(31.75,-5.71) CN11-42(29.21,-5.71) CN11-43(31.75,-8.25) CN11-44(29.21,-8.25) CN11-45(31.75,-10.79) CN11-46(29.21,-10.79) CN11-47(31.75,-13.33) CN11-48(29.21,-13.33) CN11-49(31.75,-15.87) CN11-50(29.21,-15.87) CN11-51(31.75,-18.41) CN11-52(29.21,-18.41) CN11-53(31.75,-20.95) CN11-54(29.21,-20.95) CN11-55(31.75,-23.49) CN11-56(29.21,-23.49) CN11-57(31.75,-26.03) CN11-58(29.21,-26.03) CN11-59(31.75,-28.57) CN11-60(29.21,-28.57) CN11-61(31.75,-31.11) CN11-62(29.21,-31.11) CN11-63(31.75,-33.65) CN11-64(29.21,-33.65) CN11-65(31.75,-36.19) CN11-66(29.21,-36.19) CN11-67(31.75,-38.73) CN11-68(29.21,-38.73) CN11-69(31.75,-41.27) CN11-70(29.21,-41.27) CN11-71(31.75,-43.81) CN11-72(29.21,-43.81) CN12-2(-31.75,45.09) CN12-3(-29.21,42.55) CN12-4(-31.75,42.55) CN12-5(-29.21,40.01) CN12-6(-31.75,40.01) CN12-7(-29.21,37.47) CN12-8(-31.75,37.47) CN12-9(-29.21,34.93) CN12-10(-31.75,34.93) CN12-11(-29.21,32.39) CN12-12(-31.75,32.39) CN12-13(-29.21,29.85) CN12-14(-31.75,29.85) CN12-15(-29.21,27.31) CN12-16(-31.75,27.31) CN12-17(-29.21,24.77) CN12-18(-31.75,24.77) CN12-19(-29.21,22.23) CN12-20(-31.75,22.23) CN12-21(-29.21,19.69) CN12-22(-31.75,19.69) CN12-23(-29.21,17.15) CN12-24(-31.75,17.15) CN12-25(-29.21,14.61) CN12-26(-31.75,14.61) CN12-27(-29.21,12.07) CN12-28(-31.75,12.07) CN12-29(-29.21,9.53) CN12-30(-31.75,9.53) CN12-31(-29.21,6.99) CN12-32(-31.75,6.99) CN12-33(-29.21,4.45) CN12-34(-31.75,4.45) CN12-35(-29.21,1.91) CN12-36(-31.75,1.91) CN12-37(-29.21,-0.63) CN12-38(-31.75,-0.63) CN12-39(-29.21,-3.17) CN12-40(-31.75,-3.17) CN12-41(-29.21,-5.71) CN12-42(-31.75,-5.71) CN12-43(-29.21,-8.25) CN12-44(-31.75,-8.25) CN12-45(-29.21,-10.79) CN12-46(-31.75,-10.79) CN12-47(-29.21,-13.33) CN12-48(-31.75,-13.33) CN12-49(-29.21,-15.87) CN12-50(-31.75,-15.87) CN12-51(-29.21,-18.41) CN12-52(-31.75,-18.41) CN12-53(-29.21,-20.95) CN12-54(-31.75,-20.95) CN12-55(-29.21,-23.49) CN12-56(-31.75,-23.49) CN12-57(-29.21,-26.03) CN12-58(-31.75,-26.03) CN12-59(-29.21,-28.57) CN12-60(-31.75,-28.57) CN12-61(-29.21,-31.11) CN12-62(-31.75,-31.11) CN12-63(-29.21,-33.65) CN12-64(-31.75,-33.65) CN12-65(-29.21,-36.19) CN12-66(-31.75,-36.19) CN12-67(-29.21,-38.73) CN12-68(-31.75,-38.73) CN12-69(-29.21,-41.27) CN12-70(-31.75,-41.27) CN12-71(-29.21,-43.81) CN12-72(-31.75,-43.81)
  silkscreen extent -33.06,-45.19 33.84,46.47
OSC_ASTXR-12-38.400MHZ-514054-T [mm]
  rrect10% 0.63x0.85 smd paste-0.025 mask+0: 1(-1.04,-0.7) 3(1.04,-0.7) 4(1.04,0.7) 6(-1.04,0.7)
  silkscreen extent -1.83,-1.32 1.55,1.32
REG_SWR_MYRGP180100W21RA [mm]
  rect 0.35x0.375 smd paste-1 mask+0: 1(0.55,0.937) 2(0,0.937) 3(-0.55,0.937) 4(-0.55,-0.937) 5(0,-0.937) 6(0.55,-0.937)
  rect 0.4x2.1 smd paste-1 mask+0: 7(1.25,0) 8(-1.25,0)
  round 0.4 hole 0.254 mask+0: 9(-0.55,0) 9(0,0) 9(0.55,0)
  rect 0.325x0.4 smd paste-1 mask+0: 9(0,0)
  silkscreen extent -1.62,-1.22 1.62,1.37
REG_SWR_XCL214B333DR [mm]
  rect 0.4x0.325 smd paste-0.05 mask+0: 1(1.2,-1.363) 3(1.2,-0.438) 4(-1.2,-0.438) 6(-1.2,-1.363)
  rect 0.4x0.2 smd paste-0.05 mask+0: 2(1.2,-0.9) 5(-1.2,-0.9)
  rect 0.4x0.325 smd paste-1 mask+0: 7(0,-0.865) 8(0.775,0.775) 9(-0.775,0.775)
  silkscreen extent -1.38,-1.73 1.67,1.71
RES_0402 [mil] "Resistor - 0402"
  rrect60% 20x20 smd paste+0 mask+0: 1(-17.5,0) 2(17.5,0)
  silkscreen extent -33,-17 33,17
RES_0603 [mil] "Resistor - 0603"
  rrect35% 35x34 smd paste+0 mask+0: 1(-29.5,0) 2(29.5,0)
  silkscreen extent -53,-24 53,24
SEN_IMU_LSM6DSMTR [mm]
  rect 0.575x0.35 smd paste-1 mask+0: 1(1.162,-0.75) 2(1.162,-0.25) 3(1.162,0.25) 8(-1.163,0.75) 9(-1.163,0.25) 10(-1.163,-0.25)
  rect 0.575x0.35 smd mask+0: 4(1.162,0.75) 11(-1.163,-0.75)
  rect 0.35x0.575 smd paste-1 mask+0: 5(0.5,0.913) 6(0,0.913) 7(-0.5,0.913) 12(-0.5,-0.913) 13(0,-0.913) 14(0.5,-0.913)
  silkscreen extent -1.55,-1.27 1.85,1.28
SWI_SPDT_CJS-1200TA [mm]
  rect 1x1.6 smd paste-0.025 mask+0: 1(-1.75,-1.15) 2(0,1.15) 3(1.75,-1.15)
  silkscreen extent -3.25,-2.5 3.25,2.5
SWI_TACT_435171014816 [mm]
  rrect20% 0.65x0.6 smd paste+0 mask+0: 1(-1.575,0.85) 2(1.575,0.85) 3(-1.575,-0.85) 4(1.575,-0.85)
  rrect20% 0.35x0.7 smd paste+0 mask+0: 5(-1.725,0) 6(1.725,0)
  silkscreen extent -1.73,-1.55 1.73,1.55
TPO_5011#1 [mm]
  round 2.4 hole 1.6: 1(0,0)
  silkscreen extent -1.68,-1.68 1.67,1.68
TPO_5011#2 [mm]
  round 2.4 hole 1.6: 1(0.003,0)
  silkscreen extent -1.68,-1.68 1.67,1.68
TPO_TH_ROUND_100MIL [mil]
  round 60 hole 42.91 mask+0: 1(0,0)
  silkscreen extent -39,-39 39,39
TRX_NMOS_BSS138LT1G [mm] "SOT23, 3-Leads, Body 2,92x2,37mm, Pitch 0,85mm, IPC Medium Density"
  rect 0.9x0.8 smd paste-0.025 mask+0: 1(-1,0.95) 2(-1,-0.95) 3(1,0)
  silkscreen extent -0.3,-1.6 0.8,1.6
TRX_PMOS_SI2369DS-T1-GE3 [mm]
  rect 0.724x0.559 smd paste-0.025 mask+0: 1(-0.984,0.95) 2(-0.984,-0.95) 3(0.984,0)
  silkscreen extent -1.11,-1.63 0.81,1.9
TVS_DATA_DT1140-04LP-7 [mm] "SON, 10-Leads, Body 2,51x1,01mm, Pitch 0,50mm, IPC Medium Density"
  rrect30% 0.565x0.2 smd paste+0 mask+0: 1(-0.417,1) 2(-0.417,0.5) 4(-0.417,-0.5) 5(-0.417,-1) 6(0.417,-1) 7(0.417,-0.5) 9(0.417,0.5) 10(0.417,1)
  rrect16% 0.565x0.4 smd paste-4 mask+0: 3(-0.417,0) 8(0.417,0)
  silkscreen extent -0.95,-1.4 0.54,1.45
TVS_SMBJ5.0D-M3/H [mm]
  rect 1.52x2.18 smd paste-0.025 mask+0: 1(-2.032,0) 2(2.032,0)
  silkscreen extent -2.41,-2.13 2.3,2.1
XFR_HHM1595A1 [mm] "HHM1595A1"
  rrect20% 0.3x0.8 smd paste-0.025 mask+0: 1(-0.65,-0.65) 2(0,-0.65) 3(0.65,-0.65) 4(0.65,0.65) 5(0,0.65) 6(-0.65,0.65)
  silkscreen extent -1.42,-0.75 1,0.75